# KiCad board ada36c.kicad_pcb
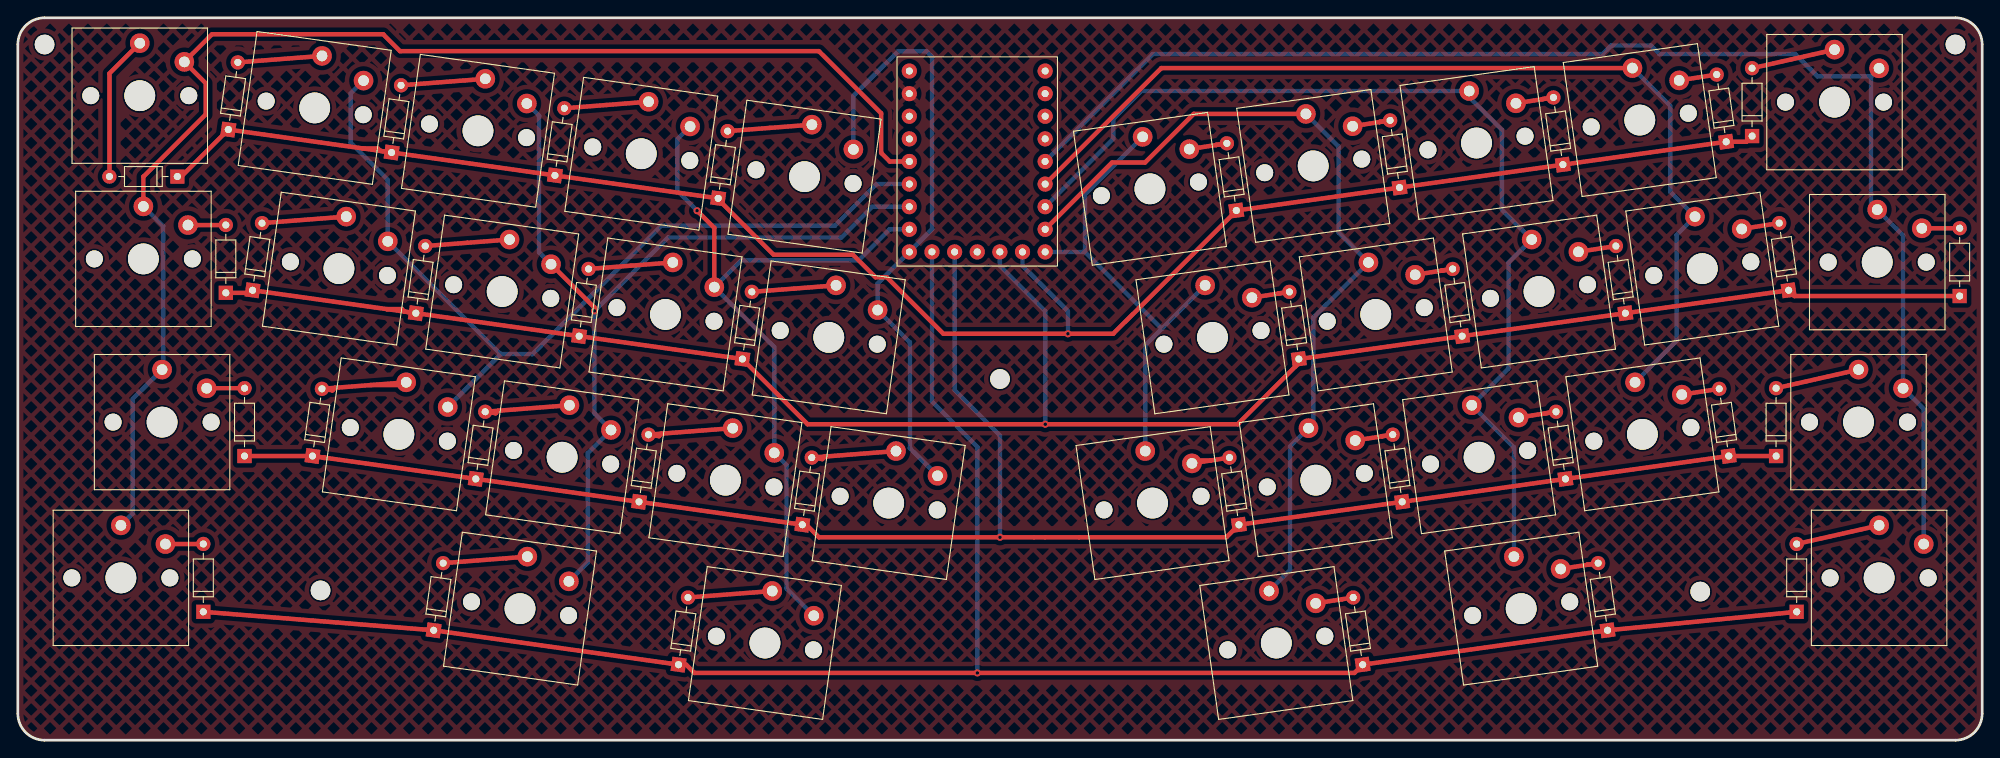
[diagram p0: board, top side]
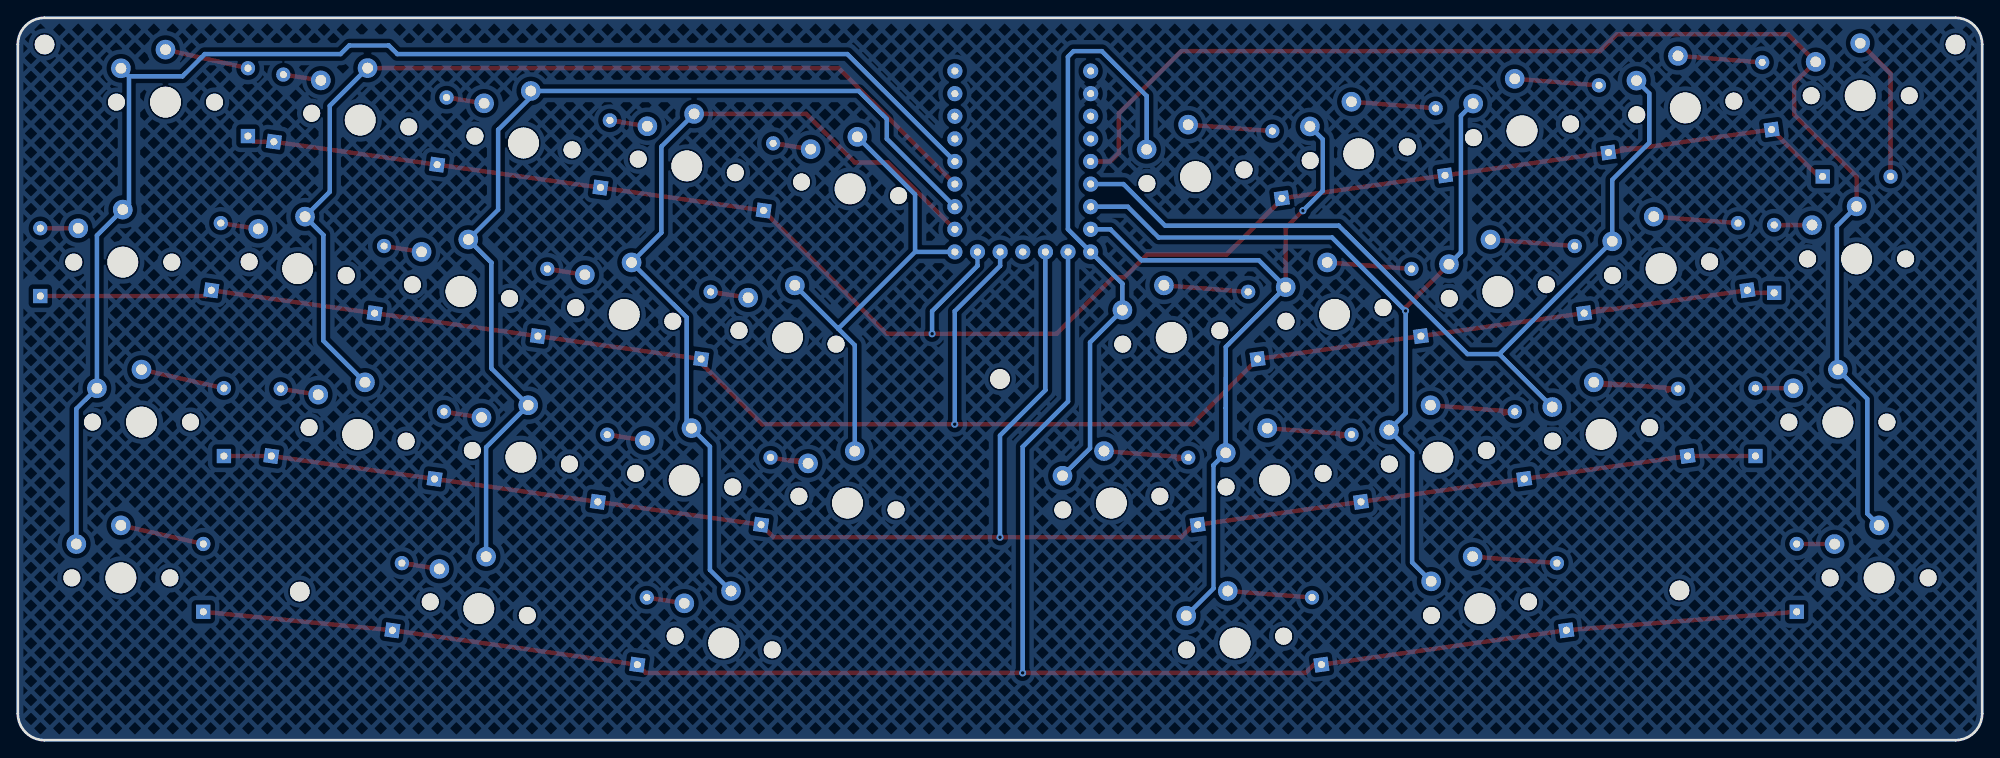
[diagram p1: board, bottom side, seen from below]

Outline 220.41 x 81.16 mm; copper layers: Top, Bottom. Coordinates in mm from the lower left corner of the outline.
Outline path: 0,78.16 arc(0.88,80.28) 3,81.16 217.41,81.16 arc(219.53,80.28) 220.41,78.16 220.41,3 arc(219.53,0.88) 217.41,0 3,0 arc(0.88,0.88) 0,3 0,78.16
Stack: Top 0.035mm / dielectric 1.51mm FR4 er 4.5 / Bottom 0.035mm

## Placement (name value [footprint] x y rotation side)
D1  -  [Diode]  17.9 63.32 180 top
D2  -  [Diode]  23.62 68.6 82 top
D3  -  [Diode]  41.94 66.02 82 top
D4  -  [Diode]  60.26 63.45 82 top
D5  -  [Diode]  78.58 60.88 82 top
D6  -  [Diode]  136.72 59.51 98 top
D7  -  [Diode]  155.04 62.08 98 top
D8  -  [Diode]  173.36 64.66 98 top
D9  -  [Diode]  191.68 67.23 98 top
D10  -  [Diode]  194.59 67.87 90 top
D11  -  [Diode]  23.34 50.26 90 top
D12  -  [Diode]  26.34 50.55 82 top
D13  -  [Diode]  44.66 47.97 82 top
D14  -  [Diode]  62.98 45.4 82 top
D15  -  [Diode]  81.3 42.82 82 top
D16  -  [Diode]  143.73 42.82 98 top
D17  -  [Diode]  162.05 45.4 98 top
D18  -  [Diode]  180.37 47.97 98 top
D19  -  [Diode]  198.69 50.55 98 top
D20  -  [Diode]  217.88 49.9 90 top
D21  -  [Diode]  25.44 31.92 90 top
D22  -  [Diode]  33.06 31.93 82 top
D23  -  [Diode]  51.38 29.35 82 top
D24  -  [Diode]  69.7 26.78 82 top
D25  -  [Diode]  88.02 24.2 82 top
D26  -  [Diode]  137.01 24.2 98 top
D27  -  [Diode]  155.33 26.78 98 top
D28  -  [Diode]  173.65 29.35 98 top
D29  -  [Diode]  191.97 31.93 98 top
D30  -  [Diode]  197.28 31.92 90 top
D31  -  [Diode]  20.81 14.42 90 top
D32  -  [Diode]  46.66 12.35 82 top
D33  -  [Diode]  74.14 8.48 82 top
D34  -  [Diode]  150.89 8.48 98 top
D35  -  [Diode]  178.37 12.35 98 top
D36  -  [Diode]  199.59 14.42 90 top
H1  MountingHole  [MountingHole_2.2mm_M2]  33.97 16.83 0 top
H2  MountingHole  [MountingHole_2.2mm_M2]  188.77 16.7 0 top
H3  MountingHole  [MountingHole_2.2mm_M2]  3 78.16 0 top
H4  MountingHole  [MountingHole_2.2mm_M2]  110.2 40.58 0 top
H5  MountingHole  [MountingHole_2.2mm_M2]  217.41 78.16 0 top
SW1  key  [SW_Kailh_Choc_V1]  13.68 72.41 0 top
SW2  key  [SW_Kailh_Choc_V1]  33.31 71.03 352 top
SW3  key  [SW_Kailh_Choc_V1]  51.63 68.46 352 top
SW4  key  [SW_Kailh_Choc_V1]  69.95 65.88 352 top
SW5  key  [SW_Kailh_Choc_V1]  88.27 63.31 352 top
SW6  key  [SW_Kailh_Choc_V1]  127.03 61.94 8 top
SW7  key  [SW_Kailh_Choc_V1]  145.35 64.52 8 top
SW8  key  [SW_Kailh_Choc_V1]  163.67 67.09 8 top
SW9  key  [SW_Kailh_Choc_V1]  181.99 69.67 8 top
SW10  key  [SW_Kailh_Choc_V1]  203.84 71.68 0 top
SW11  key  [SW_Kailh_Choc_V1]  14.09 54.07 0 top
SW12  key  [SW_Kailh_Choc_V1]  36.03 52.98 352 top
SW13  key  [SW_Kailh_Choc_V1]  54.35 50.4 352 top
SW14  key  [SW_Kailh_Choc_V1]  72.67 47.83 352 top
SW15  key  [SW_Kailh_Choc_V1]  90.99 45.26 352 top
SW16  key  [SW_Kailh_Choc_V1]  134.04 45.26 8 top
SW17  key  [SW_Kailh_Choc_V1]  152.36 47.83 8 top
SW18  key  [SW_Kailh_Choc_V1]  170.68 50.4 8 top
SW19  key  [SW_Kailh_Choc_V1]  189 52.98 8 top
SW20  key  [SW_Kailh_Choc_V1]  208.63 53.71 0 top
SW21  key  [SW_Kailh_Choc_V1]  16.19 35.73 0 top
SW22  key  [SW_Kailh_Choc_V1]  42.75 34.36 352 top
SW23  key  [SW_Kailh_Choc_V1]  61.07 31.79 352 top
SW24  key  [SW_Kailh_Choc_V1]  79.39 29.21 352 top
SW25  key  [SW_Kailh_Choc_V1]  97.71 26.64 352 top
SW26  key  [SW_Kailh_Choc_V1]  127.32 26.64 8 top
SW27  key  [SW_Kailh_Choc_V1]  145.64 29.21 8 top
SW28  key  [SW_Kailh_Choc_V1]  163.96 31.79 8 top
SW29  key  [SW_Kailh_Choc_V1]  182.28 34.36 8 top
SW30  key  [SW_Kailh_Choc_V1]  206.53 35.73 0 top
SW31  key  [SW_Kailh_Choc_V1]  11.56 18.23 0 top
SW32  key  [SW_Kailh_Choc_V1]  56.35 14.78 352 top
SW33  key  [SW_Kailh_Choc_V1]  83.83 10.92 352 top
SW34  key  [SW_Kailh_Choc_V1]  141.2 10.92 8 top
SW35  key  [SW_Kailh_Choc_V1]  168.68 14.78 8 top
SW36  key  [SW_Kailh_Choc_V1]  208.84 18.23 0 top
U1  -  [RP2040]  107.65 65.01 0 top

## Footprints (pads in the part's own frame, mm; a bottom-side part is the same pattern mirrored in y, then rotated)
Diode
  rect 1.6x1.6 hole 0.8: 1(0,0)
  oval 1.6x1.6 hole 0.8: 2(7.62,0)
MountingHole_2.2mm_M2
  round 2.2 hole 2.2 unplated: (0,0)
RP2040
  round 1.7 hole 0.8: 0(7.62,10.16) 1(7.62,7.62) 2(7.62,5.08) 3(7.62,2.54) 4(7.62,0) 5(7.62,-2.54) 6(7.62,-5.08) 7(7.62,-7.62) 8(7.62,-10.16) 9(5.08,-10.16) 10(2.54,-10.16) 11(0,-10.16) 12(-2.54,-10.16) 13(-5.08,-10.16) 14(-7.62,-10.16) 15(-7.62,-7.62) 16(-7.62,-5.08) 17(-7.62,-2.54) 18(-7.62,0) 19(-7.62,2.54) 20(-7.62,5.08) 21(-7.62,7.62) 22(-7.62,10.16)
SW_Kailh_Choc_V1
  round 1.9 hole 1.9 unplated: (-5.5,0) (5.5,0)
  round 3.45 hole 3.45 unplated: (0,0)
  round 2.2 hole 1.2: 1(0,5.9) 2(5,3.8)

## Nets
GND: U1.21
c0: SW1.2 SW11.1 SW21.1 SW31.1 U1.18
c1: SW2.2 SW12.2 SW22.2 U1.17
c2: SW3.2 SW13.2 SW23.2 SW32.2 U1.16
c3: SW4.2 SW14.2 SW24.2 SW33.2 U1.15
c4: SW5.2 SW15.2 SW25.2 U1.14
c5: SW6.1 SW16.1 SW26.1 U1.8
c6: SW7.1 SW17.1 SW27.1 SW34.1 U1.7
c7: SW8.1 SW18.1 SW28.1 SW35.1 U1.6
c8: SW9.1 SW19.1 SW29.1 U1.5
c9: SW10.2 SW20.1 SW30.2 SW36.2 U1.4
l0: D31.1 D32.1 D33.1 D34.1 D35.1 D36.1 U1.13
l1: D21.1 D22.1 D23.1 D24.1 D25.1 D26.1 D27.1 D28.1 D29.1 D30.1 U1.12
l2: D11.1 D12.1 D13.1 D14.1 D15.1 D16.1 D17.1 D18.1 D19.1 D20.1 U1.10
l3: D1.1 D2.1 D3.1 D4.1 D5.1 D6.1 D7.1 D8.1 D9.1 D10.1 U1.9
Net-(D1-Pad2): D1.2 SW1.1
Net-(D2-Pad2): D2.2 SW2.1
Net-(D3-Pad2): D3.2 SW3.1
Net-(D4-Pad2): D4.2 SW4.1
Net-(D5-Pad2): D5.2 SW5.1
Net-(D6-Pad2): D6.2 SW6.2
Net-(D7-Pad2): D7.2 SW7.2
Net-(D8-Pad2): D8.2 SW8.2
Net-(D9-Pad2): D9.2 SW9.2
Net-(D10-Pad2): D10.2 SW10.1
Net-(D11-Pad2): D11.2 SW11.2
Net-(D12-Pad2): D12.2 SW12.1
Net-(D13-Pad2): D13.2 SW13.1
Net-(D14-Pad2): D14.2 SW14.1
Net-(D15-Pad2): D15.2 SW15.1
Net-(D16-Pad2): D16.2 SW16.2
Net-(D17-Pad2): D17.2 SW17.2
Net-(D18-Pad2): D18.2 SW18.2
Net-(D19-Pad2): D19.2 SW19.2
Net-(D20-Pad2): D20.2 SW20.2
Net-(D21-Pad2): D21.2 SW21.2
Net-(D22-Pad2): D22.2 SW22.1
Net-(D23-Pad2): D23.2 SW23.1
Net-(D24-Pad2): D24.2 SW24.1
Net-(D26-Pad2): D26.2 SW26.2
Net-(D27-Pad2): D27.2 SW27.2
Net-(D28-Pad2): D28.2 SW28.2
Net-(D29-Pad2): D29.2 SW29.2
Net-(D30-Pad2): D30.2 SW30.1
Net-(D31-Pad2): D31.2 SW31.2
Net-(D32-Pad2): D32.2 SW32.1
Net-(D33-Pad2): D33.2 SW33.1
Net-(D34-Pad2): D34.2 SW34.2
Net-(D35-Pad2): D35.2 SW35.2
Net-(D36-Pad2): D36.2 SW36.1
Net-(SW25-Pad1): D25.2 SW25.1

Pads without a net: U1 0 1 2 3 11 19 20 22

## Via types
v1: diameter 0.8, hole 0.4, Top to Bottom, 6 vias

## Routing (per net, layer and track width the routed paths; a pad name or vN(x,y) marks a point on that pad's centre or on a via; arc(x,y) is an arc through that point)
c0: length 149.8
  Top w0.5: U1.18 97.83,65.01 96.87,65.98 96.87,70.42 89.88,77.41 42.89,77.41 40.99,79.31 21.79,79.31 SW1.2 21.08,73.81 21.08,70.3 14.09,63.31 SW11.1
  Bottom w0.5: SW31.1 12.89,25.46 12.89,38.34 SW21.1 ; SW11.1 16.3,57.76 16.3,41.75
c1: length 100.5
  Bottom w0.5: U1.17 96.35,62.47 91.69,57.82 72.2,57.82 57.76,43.38 54.18,43.38 ; 54.18,43.38 SW12.2 41.51,62.96 37.35,67.12 37.35,72.66 SW2.2 ; 54.18,43.38 SW22.2
c2: length 99.7
  Top w0.5: v1(64.7,48.23) 64.7,48.6 SW13.2
  Bottom w0.5: SW32.2 63.96,19.98 63.96,32.26 SW23.2 64.7,36.71 v1(64.7,48.23) 72.94,56.47 92.4,56.47 95.86,59.93 U1.16 ; SW13.2 58.49,54.81 58.49,70.15 SW3.2
c3: length 94.8
  Top w0.5: SW14.2 78.15,57.55 v1(76.21,59.48)
  Bottom w0.5: SW24.2 84.87,44.17 SW14.2 81.16,53.91 94.33,53.91 97.81,57.39 U1.15 ; SW24.2 84.87,40.65 ; SW24.2 86.25,30.9 86.25,17.04 SW33.2 ; SW4.2 73.99,67.51 73.99,61.71 v1(76.21,59.48)
c4: length 69.6
  Bottom w0.5: SW5.2 93.75,72.39 98.77,77.41 101.95,77.41 102.58,76.77 102.58,57.41 U1.14 96.47,51.29 SW15.2 100.1,44.69 100.1,32.8 SW25.2
c5: length 53.7
  Bottom w0.5: U1.8 119.73,54.85 ; 119.73,54.85 128.35,46.23 ; 119.73,54.85 119.73,61.31 SW6.1 ; 128.35,46.23 126.5,44.37 126.5,32.48 ; 128.35,46.23 SW16.1
c6: length 95
  Top w0.5: SW7.1 131.94,70.36 126.48,64.9 122.77,64.9 U1.7
  Bottom w0.5: SW27.1 142.75,32.99 142.75,19.13 SW34.1 ; SW7.1 148.19,66.69 148.19,57.02 SW17.1 145.36,47.49 145.36,35.6
c7: length 113.5
  Bottom w0.5: SW8.1 126.05,72.93 122.9,69.79 122.9,67.57 U1.6 ; SW35.1 167.86,32.9 SW28.1 167.26,41.76 167.26,53.65 SW18.1 166.51,59.6 166.51,68.58 162.85,72.25
c8: length 112.3
  Top w0.5: U1.5 128.3,75.51 SW9.1
  Bottom w0.5: SW29.1 186.11,44.86 186.11,56.75 SW19.1 185.4,61.6 185.4,71.27 SW9.1
c9: length 155.8
  Bottom w0.5: 207.93,74.58 207.93,60.31 SW20.1 211.53,56.71 SW30.2 213.84,37.22 SW36.2 ; 207.93,74.58 SW10.2 ; 207.93,74.58 201.93,74.58 199.43,77.08 184.19,77.08 183.23,78.04 178.78,78.04 177.82,77.08 127.33,77.08 U1.4
l0: length 229.7
  Top w0.5: D36.1 178.37,12.35 D35.1 150.89,8.48 D34.1 149.97,7.56 75.91,7.56 74.99,8.48 D33.1 D32.1 D31.1
  Bottom w0.5: U1.13 102.57,38.05 107.66,32.96 v1(107.66,7.56)
l1: length 209.9
  Top w0.5: 88.02,24.2 88.48,24.2 89.88,22.8 135.6,22.8 D26.1 ; 88.02,24.2 D24.1 D23.1 34.66,31.7 ; 88.02,24.2 D25.1 ; 33.06,31.93 34.66,31.7 ; 34.66,31.7 34.38,31.7 34.34,31.75 D22.1 33.06,31.92 D21.1 ; 137.01,24.2 D27.1 D28.1 191.97,31.93 D29.1 191.97,31.92 D30.1
  Bottom w0.5: U1.12 105.11,39.32 110.2,34.23 v1(110.2,22.8)
l2: length 227.6
  Top w0.5: D13.1 43.39,48.15 43.11,48.43 41.41,48.43 ; 41.41,48.43 D14.1 D15.1 81.3,42.81 88.61,35.5 136.87,35.5 143.73,42.36 D16.1 D17.1 180.04,47.92 ; 41.41,48.43 D12.1 26.05,50.26 D11.1 ; D18.1 180.08,47.97 180.04,47.92 ; 180.04,47.92 D19.1 199.34,49.9 D20.1
  Bottom w0.5: U1.10 110.19,53.29 115.28,48.2 v1(115.28,35.5)
l3: length 207
  Top w0.5: 38.69,66.48 D4.1 D5.1 78.58,60.77 84.8,54.55 93.69,54.55 96.23,52.01 97.5,52.01 103.85,45.66 122.9,45.66 136.72,59.47 D6.1 D7.1 D8.1 D9.1 193.95,67.23 D10.1 ; 38.69,66.48 40.39,66.48 40.67,66.2 D3.1 ; 38.69,66.48 D2.1 18.34,63.32 D1.1
  Bottom w0.5: U1.9 112.73,53.29 117.82,48.2 v1(117.82,45.66)
Net-(D1-Pad2): length 16.4
  Top w0.5: D1.2 10.28,74.9 SW1.1
Net-(D2-Pad2): length 9.5
  Top w0.5: D2.2 SW2.1
Net-(D3-Pad2): length 9.5
  Top w0.5: D3.2 SW3.1
Net-(D4-Pad2): length 9.5
  Top w0.5: D4.2 61.32,71 SW4.1
Net-(D5-Pad2): length 9.5
  Top w0.5: D5.2 79.64,68.42 SW5.1
Net-(D6-Pad2): length 5.5
  Top w0.5: 134.45,66.87 134.48,66.89 D6.2 134.45,66.87 ; 134.45,66.87 SW6.2
Net-(D7-Pad2): length 5.5
  Top w0.5: 152.77,69.44 152.8,69.46 D7.2 152.77,69.44 ; 152.77,69.44 149.77,68.97
Net-(D8-Pad2): length 5.5
  Top w0.5: 171.09,72.02 SW8.2 ; 171.09,72.02 171.12,72.04 D8.2 171.09,72.02
Net-(D9-Pad2): length 4.3
  Top w0.5: D9.2 SW9.2
Net-(D10-Pad2): length 9.5
  Top w0.5: D10.2 SW10.1
Net-(D11-Pad2): length 4.3
  Top w0.5: D11.2 23.33,57.87 SW11.2
Net-(D12-Pad2): length 9.5
  Top w0.5: D12.2 SW12.1
Net-(D13-Pad2): length 9.5
  Top w0.5: SW13.1 D13.2
Net-(D14-Pad2): length 9.5
  Top w0.5: 73.49,53.67 D14.2
Net-(D15-Pad2): length 9.5
  Top w0.5: 91.81,51.1 D15.2
Net-(D16-Pad2): length 5.5
  Top w0.5: 141.47,50.18 141.49,50.2 D16.2 ; 141.47,50.18 SW16.2 ; 141.47,50.18 142.67,50.37
Net-(D17-Pad2): length 5.5
  Top w0.5: 159.79,52.76 159.81,52.78 D17.2 ; 159.79,52.76 160.99,52.94 ; 159.79,52.76 156.78,52.29
Net-(D18-Pad2): length 4.3
  Top w0.5: SW18.2 179.31,55.52 D18.2
Net-(D19-Pad2): length 4.3
  Top w0.5: D19.2 197.63,58.09 SW19.2
Net-(D20-Pad2): length 4.3
  Top w0.5: SW20.2 217.87,57.51 D20.2
Net-(D21-Pad2): length 4.3
  Top w0.5: SW21.2 21.2,39.54 D21.2
Net-(D22-Pad2): length 15.2
  Top w0.5: 39.58,39.9 43.27,39.9 SW22.1 39.58,39.9 ; 39.58,39.9 35.58,39.59 ; 35.58,39.59 35.3,39.31 D22.2 35.58,39.59
Net-(D23-Pad2): length 11.2
  Top w0.5: 61.75,37.62 61.76,37.63 SW23.1 61.75,37.62 ; 61.75,37.62 53.9,37.01 ; 53.9,37.01 D23.2 53.62,36.73 53.9,37.01
Net-(D24-Pad2): length 11.2
  Top w0.5: 72.22,34.44 D24.2 71.94,34.16 72.22,34.44 ; 72.22,34.44 80.07,35.04 ; 80.07,35.04 80.08,35.06 SW24.1 80.07,35.04
Net-(D26-Pad2): length 6.5
  Top w0.5: 133.84,31.42 132.07,31.42 SW26.2 133.84,31.42 ; 133.84,31.42 D26.2
Net-(D27-Pad2): length 5.5
  Top w0.5: 153.07,34.14 SW27.2 ; 153.07,34.14 D27.2 153.09,34.16 153.07,34.14
Net-(D28-Pad2): length 5.5
  Top w0.5: 171.39,36.71 171.41,36.73 D28.2 171.39,36.71 ; 171.39,36.71 SW28.2
Net-(D29-Pad2): length 4.3
  Top w0.5: D29.2 SW29.2
Net-(D30-Pad2): length 9.5
  Top w0.5: D30.2 SW30.1
Net-(D31-Pad2): length 4.3
  Top w0.5: SW31.2 20.8,22.03 D31.2
Net-(D32-Pad2): length 9.5
  Top w0.5: D32.2 SW32.1
Net-(D33-Pad2): length 9.5
  Top w0.5: D33.2 75.2,16.03 SW33.1
Net-(D34-Pad2): length 4.3
  Top w0.5: D34.2 148.63,15.84 145.63,15.38
Net-(D35-Pad2): length 5.5
  Top w0.5: 176.11,19.71 176.13,19.73 D35.2 176.11,19.71 ; 176.11,19.71 173.11,19.24
Net-(D36-Pad2): length 9.5
  Top w0.5: D36.2 SW36.1
Net-(SW25-Pad1): length 11.1
  Top w0.5: 90.54,31.86 D25.2 90.26,31.58 90.54,31.86 ; 90.54,31.86 98.53,32.48

## Copper pours and planes (outline as drawn; the poured copper is in the pictures)
GND on Top, Bottom: 220.41,78.16 219.53,80.28 217.41,81.16 3,81.16 0.88,80.28 0,78.16 0,3 0.88,0.88 3,0 217.41,0 219.53,0.88 220.41,3
